# Allegro board REF_038HX-888005K4R-A100.brd (continued)
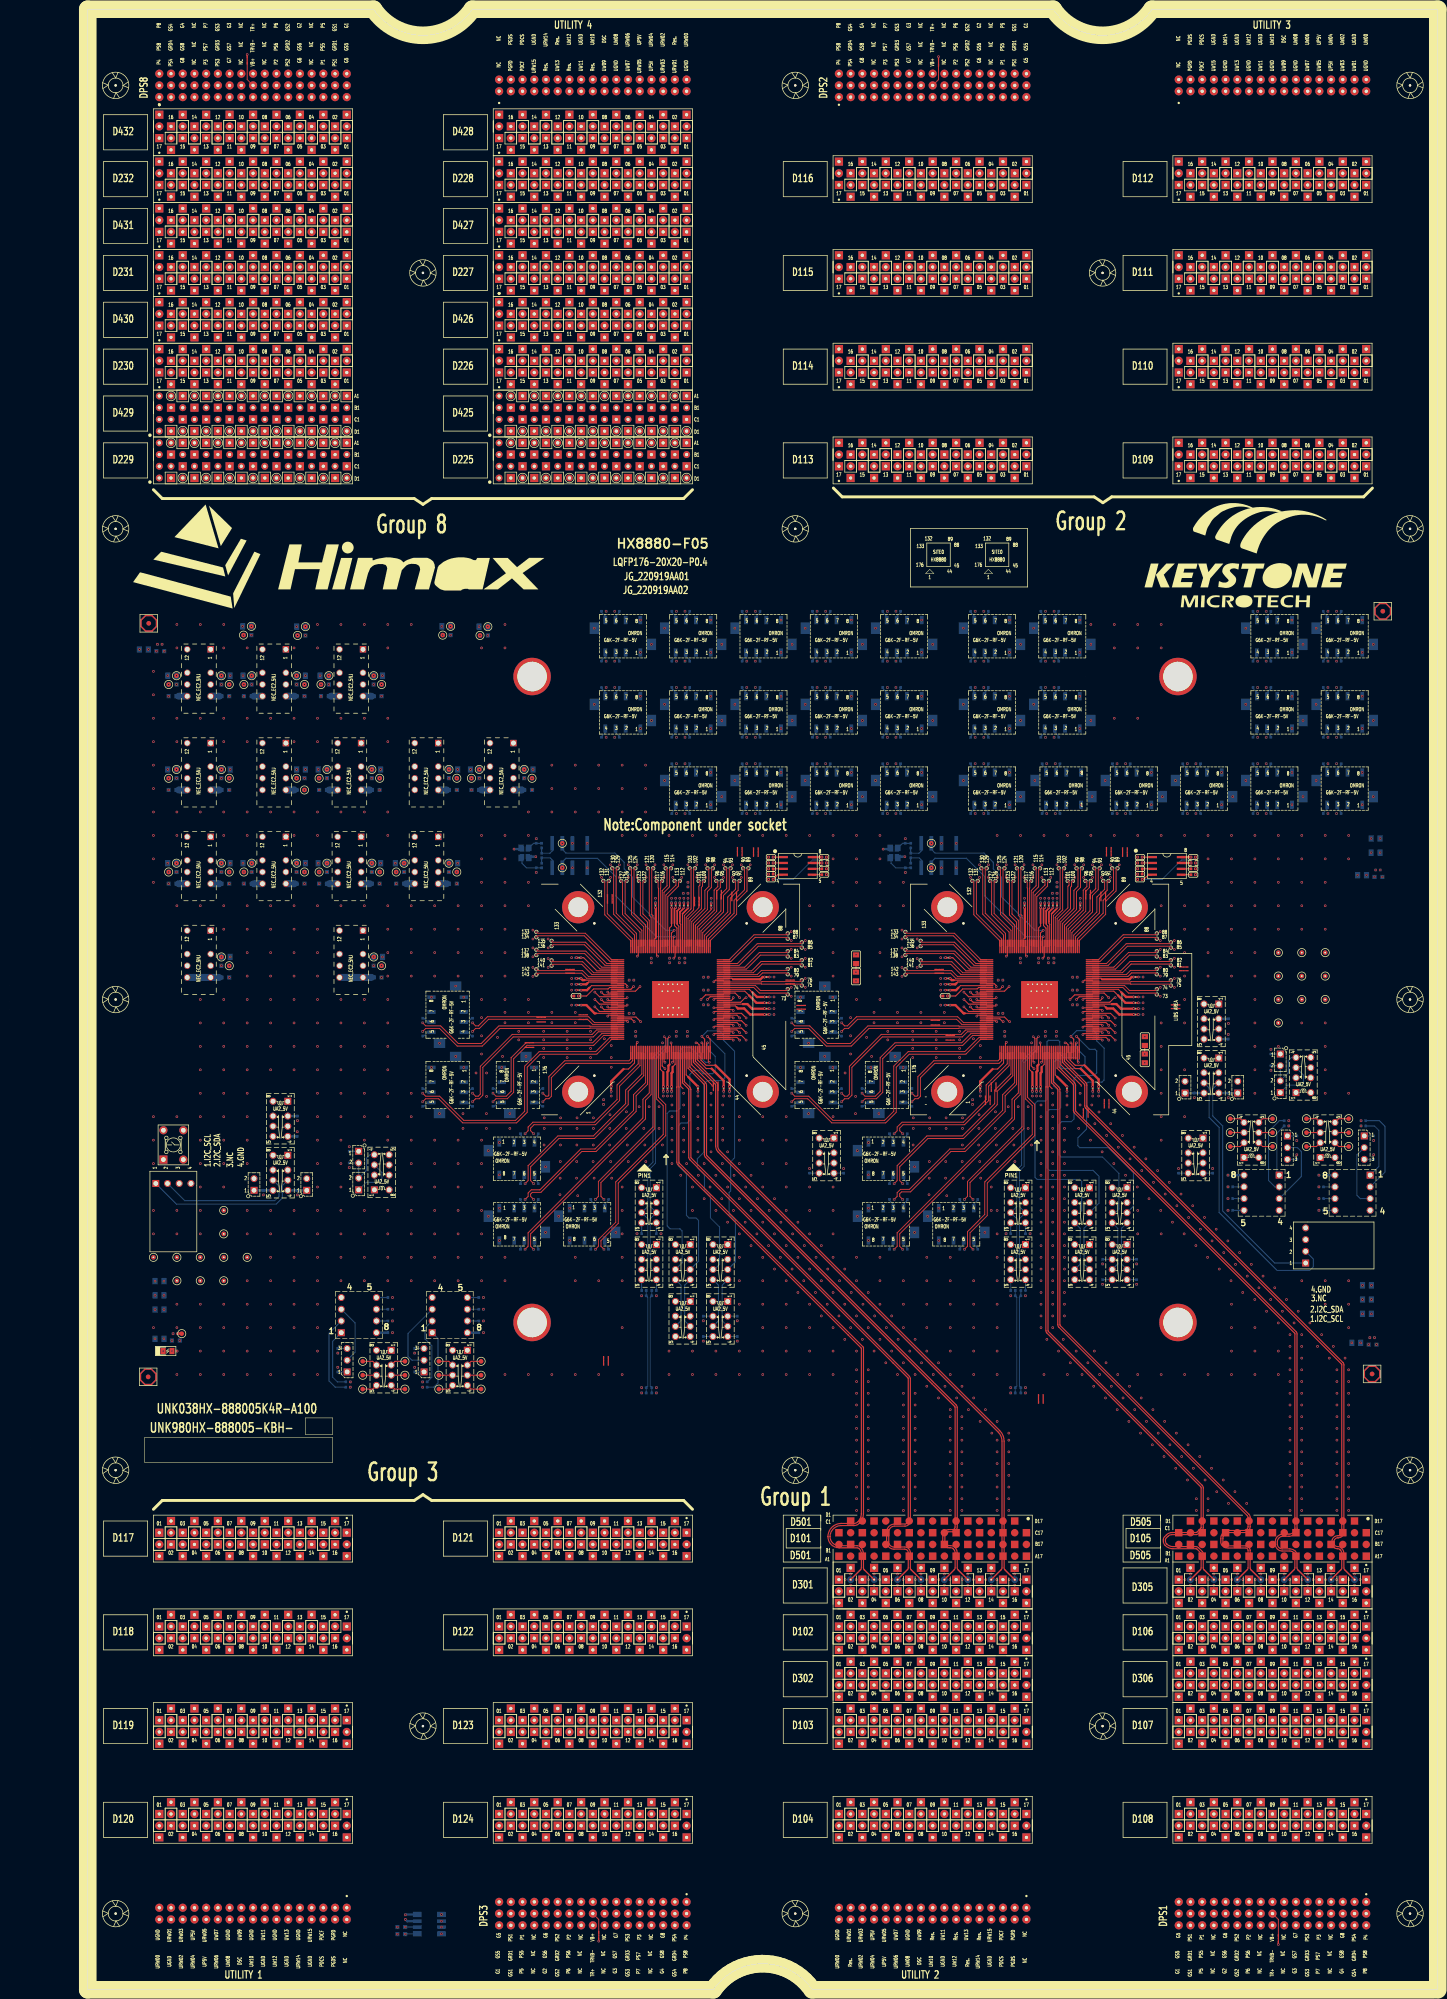
[diagram p0: board, top side]
## Routing (per net, layer and track width the routed paths; a pad name or vN(x,y) marks a point on that pad's centre or on a via; arc(x,y) is an arc through that point) (continued)
  BOTTOM w0.231: U2.2 52.29,142.29 52.29,131.95 53.64,130.61 R95.1
S1_SPI_22_SDO: length 118.1
  L22_SIGNAL w0.145: U2.5 62.58,162.45 65.24,165.12 105.46,165.12 107.4,163.18 139.62,163.18 142.24,160.55 142.24,142.03 v1(140.81,140.59)
  BOTTOM w0.231: U2.5 R99.1
S1_SPI_CSN: length 62.9
  TOP w0.231: SITE1.43 134.52,201.23 v1(134.72,201.03)
  BOTTOM w0.231: K15.6 128.85,157.56 128.85,164.44 128.35,164.94 126.21,164.94 125.6,165.55 125.6,189.95 126.1,190.44 127.73,190.44 128.4,191.11 128.4,203.59 129.06,204.25 130.66,204.25 133.89,201.03 v1(134.72,201.03)
S1_SPI_SCK: length 62.9
  TOP w0.231: v1(134.32,205.23) 134.12,205.03 SITE1.42
  BOTTOM w0.231: v1(134.32,205.23) 134.32,203.98 136.02,202.28 136.02,199.11 135.45,198.54 133.39,198.54 132.66,199.27 131.41,199.27 130.52,198.39 130.52,188.48 129.89,187.85 128.59,187.85 128.06,187.32 128.06,178.54 129.77,176.83 129.77,167.84 130.35,167.26 131.87,167.26 132.41,166.72 132.41,157.93 K15.3
S1_SPI_SDI: length 62.9
  TOP w0.231: SITE1.44 134.92,206.03 v1(134.32,206.63)
  BOTTOM w0.231: v1(134.32,206.63) 138.09,202.86 138.09,197.63 137.53,197.06 134.34,197.06 133.56,196.28 133.56,181.53 132.15,180.12 132.15,178.17 133.67,176.65 133.67,173.29 134.98,171.97 134.98,167.29 136.95,165.33 136.95,157.22 135.84,156.11 K14.6
S1_SPI_SDO: length 62.9
  TOP w0.231: SITE1.41 133.72,206.03 v1(133.12,206.63)
  BOTTOM w0.231: K14.3 140.39,157.78 140.39,166.66 139.03,168.02 139.03,172.81 139.37,173.15 139.37,179.48 140.21,180.32 140.21,203.4 137.78,205.83 137.78,207.04 136.99,207.83 134.32,207.83 v1(133.12,206.63)
S1_XTAL_IN: length 37.5
  TOP w0.231: v1(127.12,228.23) 126.92,228.03 SITE1.109
  BOTTOM w0.231: v1(102.86,243.18) 102.86,244.44 103.65,245.24 110.47,245.24 114.43,241.27 114.43,237.1 123.31,228.23 v1(127.12,228.23)
S1_XTAL_OUT: length 39.9
  TOP w0.231: SITE1.110 126.52,229.03 v1(127.12,229.63)
  BOTTOM w0.231: v1(127.12,229.63) 125.32,229.63 118.08,236.87 118.08,241.15 116.29,242.93 116.29,244.36 114.29,246.35 103.68,246.35 102.86,247.17 v1(102.86,248.48)
S2_1AUX+: length 2.4
  BOTTOM w0.203: UNK2K9.4 UNK2R129.1
S2_1AUX-: length 2.4
  BOTTOM w0.203: UNK2K9.5 UNK2R130.1
S2_1SPI_CSN: length 11.1
  BOTTOM w0.231: UNK2K19.6 215.14,157.31 215.14,165.04 UNK2K15.5
S2_1SPI_SCK: length 11.1
  BOTTOM w0.231: UNK2K15.4 215.95,165.04 215.95,157.31 UNK2K19.3
S2_1SPI_SDI: length 11.1
  BOTTOM w0.231: UNK2K20.6 223.27,157.31 223.27,165.04 UNK2K14.5
S2_1SPI_SDO: length 11.1
  BOTTOM w0.231: UNK2K14.4 224.08,165.04 224.08,157.31 UNK2K20.3
S2_2AUX+: length 22.5
  BOTTOM w0.203: UNK2C3.1 UNK2R1.2 201.94,130.82 201.94,150.09 UNK2R3.1 UNK2R129.2
S2_2AUX-: length 22.5
  BOTTOM w0.203: UNK2C4.1 UNK2R4.2 201.39,130.82 201.39,150.09 UNK2R2.2 UNK2R130.2
S2_AUXCH+: length 58
  TOP w0.203: SITE2.21 205.72,206.2 v2(206.09,206.57)
  BOTTOM w0.203: v2(206.09,206.57) 205.79,206.28 205.79,203.82 202.98,201.01 202.98,178.49 201.94,177.44 201.94,169.76 UNK2K12.3 201.94,167.11 201.94,156.52 202.34,156.11 UNK2K9.3
S2_AUXCH-: length 58
  TOP w0.203: v2(204.95,206.57) 205.32,206.2 SITE2.20
  BOTTOM w0.203: v2(204.95,206.57) 205.25,206.28 205.25,204.05 202.43,201.24 202.43,178.72 201.39,177.67 201.39,169.76 UNK2K12.6 201.39,167.11 201.39,156.52 200.98,156.11 UNK2K9.6
S2_ISP_1LOCK: length 70.6
  TOP w0.231: UNK2R118.2 v1(184.89,215.39)
  L22_SIGNAL w0.145: UNK2K33.3 244.18,208.25 243.56,208.87 243.56,211.56 242.91,212.22 231.04,212.22 229.34,210.53 226.16,210.53 223.34,213.35 219.36,213.35 214.4,218.31 211.83,218.31 210.07,220.07 191.77,220.07 187.76,216.07 185.57,216.07 v1(184.89,215.39)
S2_SPI_1_CSN: length 85.8
  L22_SIGNAL w0.145: UNK2U1.1 256.66,176.56 255.05,178.16 246.33,178.16 243.54,175.37 236.91,175.37 235.34,176.93 235.34,180.97 233.47,182.84 229.44,182.84 228.49,183.78 219.4,183.78 215.55,179.94 215.55,159.92 UNK2K19.7
  BOTTOM w0.231: UNK2U1.1 257.75,177.07 257.75,185.63 UNK2R87.1
S2_SPI_1_SCK: length 85.8
  L22_SIGNAL w0.145: UNK2K19.2 218.76,159.93 226.5,159.93 229.12,162.55 241.16,162.55 242.08,163.47 249.91,163.47 250.37,163.93 250.37,165.38 249.57,166.19 240.1,166.19 239.33,165.41 231.24,165.41 230.07,166.57 230.07,168.71 231.95,170.59 233.92,170.59 234.76,171.43 245.11,171.43 246.35,170.19 247.8,170.19 249.09,171.48 UNK2U1.6
  BOTTOM w0.231: UNK2U1.6 UNK2R91.1
S2_SPI_1_SDI: length 2.1
  BOTTOM w0.231: UNK2K20.7 UNK2R127.1
S2_SPI_1_SDO: length 2.1
  BOTTOM w0.231: UNK2K20.2 UNK2R125.1
S2_SPI_2_CSN: length 120.2
  L22_SIGNAL w0.145: UNK2U2.1 279.89,174.65 279.89,158.59 275.13,153.83 275.13,146.29 271.99,143.15 254.62,143.15 253.37,144.41 248.18,144.41 241.07,151.52 232.73,151.52 228.41,147.19 215.73,147.19 213.94,148.97 UNK2K19.5
  BOTTOM w0.231: UNK2R94.1 278.92,187.23 279.85,186.29 279.85,178.43 UNK2U2.1
S2_SPI_2_SCK: length 120.2
  L22_SIGNAL w0.145: UNK2U2.6 268.74,171.48 268.3,171.91 268.3,177.64 267.64,178.3 266.31,178.3 265.37,179.24 265.37,184.83 264.87,185.33 263.93,185.33 263.43,184.83 263.43,178.78 262.94,178.3 258.99,178.3 255.31,181.98 246.01,181.98 245.04,182.96 245.04,185.09 243.73,186.4 217.88,186.4 212.79,181.31 212.79,179.02 210.04,176.27 210.04,155.69 210.72,155.01 216.04,155.01 UNK2K19.4
  BOTTOM w0.231: UNK2U2.6 UNK2R98.1
S2_SPI_2_SDI: length 2.1
  BOTTOM w0.231: UNK2K20.5 UNK2R128.1
S2_SPI_2_SDO: length 2.1
  BOTTOM w0.231: UNK2K20.4 UNK2R126.1
S2_SPI_11_SDI: length 83.7
  L22_SIGNAL w0.145: UNK2U1.2 261.47,170.81 261.47,157.35 257.25,153.13 250.42,153.13 246.27,157.28 237.04,157.28 236.14,156.38 228.76,156.38 227.4,155.02 220.52,155.02 219.99,155.55 v1(219.99,157.31)
  BOTTOM w0.231: UNK2R88.1 258.31,188.37 255.96,186.03 255.96,175.39 257.34,174.02 UNK2U1.2
S2_SPI_11_SDO: length 83.7
  L22_SIGNAL w0.145: UNK2U1.5 253.14,171.44 253.14,172.01 253.64,172.5 255.05,172.5 255.57,171.97 255.57,169.39 253.69,167.52 253.69,157.98 254.02,157.66 255.46,157.66 256.04,158.24 256.04,166.77 256.52,167.25 258.37,167.25 259.08,166.55 259.08,158.06 256.98,155.96 251.7,155.96 246.61,161.06 244.46,161.06 243.93,160.53 237.87,160.53 235.65,158.31 228.36,158.31 v1(227.36,157.31)
  BOTTOM w0.231: UNK2U1.5 UNK2R92.1
S2_SPI_22_SDI: length 118.1
  L22_SIGNAL w0.145: v1(219.99,152.91) 219.27,152.2 217.18,152.2 216.64,151.66 216.64,149.27 217.09,148.82 227.75,148.82 232.18,153.25 241.55,153.25 248.61,146.19 253.95,146.19 254.53,145.6 271.33,145.6 272.2,146.48 272.2,155.71 275.21,158.72 275.21,173.42 276.26,174.47 277.52,174.47 UNK2U2.2
  BOTTOM w0.231: UNK2R95.1 279.97,188.37 281.18,187.15 281.18,177.23 UNK2U2.2
S2_SPI_22_SDO: length 118.1
  L22_SIGNAL w0.145: UNK2U2.5 269.46,168.04 269.46,160.73 269.86,160.33 271.51,160.33 272.11,160.93 272.11,177.1 272.33,177.32 273.29,177.32 273.55,177.06 273.55,160.14 270.05,156.64 270.05,148.43 269.18,147.55 263.9,147.55 263.25,148.21 250.17,148.21 243.65,154.73 231.4,154.73 226.94,150.26 224.58,150.26 224.17,150.67 224.17,151.9 224.55,152.29 226.73,152.29 v1(227.36,152.91)
  BOTTOM w0.231: UNK2U2.5 UNK2R99.1
S2_SPI_CSN: length 62.9
  TOP w0.231: v1(214.72,201.03) 214.52,201.23 SITE2.43
  BOTTOM w0.231: UNK2K15.6 215.05,168.43 215.46,168.84 215.46,175.23 215.05,175.64 205.77,175.64 205.35,176.07 205.35,192.12 205.88,192.65 207.55,192.65 207.93,193.02 207.93,205.46 208.26,205.79 210.39,205.79 210.69,205.49 210.69,202.88 211.55,202.02 214.27,202.02 214.72,201.57 v1(214.72,201.03)
S2_SPI_SCK: length 62.9
  TOP w0.231: v1(214.32,205.23) 214.12,205.03 SITE2.42
  BOTTOM w0.231: v1(214.32,205.23) 214.32,204.09 216.16,202.25 216.16,200.7 215.12,199.65 211.17,199.65 210.78,200.05 210.78,201.09 210.37,201.49 209.81,201.49 209.41,201.09 209.41,195.89 210.9,194.41 210.9,191.25 210.42,190.77 208.44,190.77 207.94,190.27 207.94,178.12 208.47,177.59 217.92,177.59 219.2,176.3 219.2,170.49 UNK2K15.3
S2_SPI_SDI: length 62.9
  TOP w0.231: v1(214.32,206.63) 214.92,206.03 SITE2.44
  BOTTOM w0.231: UNK2K14.6 222.74,168.43 223.51,169.2 223.51,176.95 219.98,180.49 210.95,180.49 210.51,180.92 210.51,187.54 211.13,188.16 213.21,188.16 213.77,188.72 213.77,197.44 214.51,198.17 218.17,198.17 218.71,198.71 218.71,203.47 218.34,203.85 217.1,203.85 v1(214.32,206.63)
S2_SPI_SDO: length 62.9
  TOP w0.231: v1(213.12,206.63) 213.72,206.03 SITE2.41
  BOTTOM w0.231: UNK2K14.3 226.68,169.84 226.68,177.06 221.22,182.52 215.04,182.52 214.62,182.94 214.62,184.64 216.5,186.52 216.5,196.39 216.81,196.7 219.83,196.7 220.32,197.19 220.32,204.07 218.7,205.68 218.7,207.24 218.07,207.87 214.36,207.87 v1(213.12,206.63)
S2_XTAL_IN: length 37.5
  TOP w0.231: v1(207.12,228.23) 206.92,228.03 SITE2.109
  BOTTOM w0.231: v1(182.86,243.18) 182.86,244.44 183.65,245.24 190.47,245.24 194.43,241.27 194.43,237.1 203.31,228.23 v1(207.12,228.23)
S2_XTAL_OUT: length 39.9
  TOP w0.231: SITE2.110 206.52,229.03 v1(207.12,229.63)
  BOTTOM w0.231: v1(207.12,229.63) 205.32,229.63 198.08,236.87 198.08,241.15 196.29,242.93 196.29,244.36 194.29,246.35 183.68,246.35 182.86,247.17 v1(182.86,248.48)
SK1_2: length 3.3
  TOP w0.231: SK1_2.1 83.1,136.21 SK1.2
SK1_3: length 3
  TOP w0.231: SK1.3 SK1_3.1
SK1_4: length 3.3
  TOP w0.231: SK1.4 83.1,130.19 SK1_4.1
SK1_5: length 3.3
  TOP w0.231: SK1.5 78.28,130.19 SK1_5.1
SK1_6: length 3
  TOP w0.231: SK1.6 SK1_6.1
SK1_7: length 3.3
  TOP w0.231: SK1_7.1 78.28,136.21 SK1.7
SK2_2: length 3.3
  TOP w0.231: SK2_2.1 66.59,136.21 SK2.2
SK2_3: length 3
  TOP w0.231: SK2.3 SK2_3.1
SK2_4: length 3.3
  TOP w0.231: SK2_4.1 66.59,130.19 SK2.4
SK2_5: length 3.3
  TOP w0.231: SK2_5.1 61.77,130.19 SK2.5
SK2_6: length 3
  TOP w0.231: SK2.6 SK2_6.1
SK2_7: length 3.3
  TOP w0.231: SK2.7 61.77,136.21 SK2_7.1
UDBGND: length 2.8
  BOTTOM w0.508: v1(68.85,15.25) 69.24,14.86 UB1.7
  vias: v1(13.13,290.5) v1(14.87,290.12) v1(15.11,291.63) v1(16.35,138.43) v1(16.52,153.59) v1(16.52,150.51) v1(16.52,147.42) v1(16.51,141.08) v1(18.25,140.7) v1(18.49,142.21) v1(76.67,16.32) v1(76.67,14.86) v1(76.67,13.59) v1(76.67,12.13) v1(275.93,140.21) v1(277.67,139.83) v1(277.92,141.34) v1(278.26,152.67) v1(278.26,149.59) v1(278.26,146.5) v2(277.19,241.58) v2(278.93,241.2) v2(279.17,242.7) v2(280.14,249.53) v2(280.14,246.45)
UT1_UP5V: length 7.9
  TOP w0.508: UT1.8 v1(159.13,245.49) ; UNK2UT1.8 v1(239.13,245.49) ; UT_UP5V.1 v1(19.49,142.21)
  BOTTOM w0.508: BR902.1 v1(19.38,138.43) ; UB1.8 68.92,16.32 v1(68.85,16.25)
  vias: v1(16.11,291.63) v1(16.57,290.12) v1(19.95,140.7) v1(67.11,13.59) v1(67.11,12.06) v1(81.5,215.14) v1(81.5,199.9) v1(89.23,183.62) v1(89.23,169.4) v1(96.74,199.9) v1(104.47,169.4) v1(108.26,243.18) v1(119.8,289.86) v1(119.8,273.35) v1(135.04,289.86) v1(135.04,273.35) v1(135.04,256.84) v1(147.57,245.49) v1(147.57,244.22) v1(147.57,242.95) v1(150.28,289.86) v1(150.28,273.35) v1(150.28,256.84) v1(160.13,244.22) v1(160.13,242.95) v1(160.13,241.68) v1(161.5,215.14) v1(161.5,199.9) v1(165.52,289.86) v1(165.52,273.35) v1(165.52,256.84) v1(169.23,183.62) v1(169.23,169.4) v1(176.74,199.9) v1(180.76,289.86) v1(180.76,273.35) v1(180.76,256.84) v1(184.47,169.4) v1(188.26,243.18) v1(199.8,289.86) v1(199.8,273.35) v1(199.8,256.84) v1(215.04,289.86) v1(215.04,273.35) v1(215.3,256.84) v1(227.57,245.49) v1(227.57,244.22) v1(227.57,242.95) v1(230.54,256.84) v1(240.13,244.22) v1(240.13,242.95) v1(240.13,241.68) v1(245.78,256.84) v1(261.02,289.86) v1(261.02,273.35) v1(261.02,256.84) v1(276.26,289.86) v1(276.26,273.35) v1(276.26,256.84) v1(278.92,141.34) v1(279.37,139.83) v2(280.17,242.7) v2(280.63,241.2)
UT1_URW00: length 275.1
  L13_CBIT w0.254: K13.8 160.09,183.05 160.09,175.14 158.3,173.35 158.3,162.72 155.72,160.14 155.72,157.74 152.6,154.61 152.6,146.42 130.04,123.87 110.77,123.87 67.58,80.67 67.58,17.33 59.86,9.61 21.14,9.61 UTL1.A01
UT1_URW01: length 204.6
  L13_CBIT w0.254: K28.8 41.43,179.59 41.43,168.15 46.97,162.61 46.97,128.87 58.05,117.79 58.05,27.82 54.42,24.18 24.45,24.18 UTL1.B02
UT1_URW02: length 234.1
  L13_CBIT w0.254: UTL1.A03 25.58,10.25 59.6,10.25 66.94,17.6 66.94,80.94 110.51,124.5 125.42,124.5 137.44,136.52 137.44,159.6 K14.8
UT1_URW03: length 214.8
  L13_CBIT w0.254: UTL1.B03 26.36,23.55 54.68,23.55 58.69,27.55 58.69,118.06 47.61,129.14 47.61,162.88 42.07,168.42 42.07,190.66 K33.8
UT1_URW04: length 217.7
  L13_CBIT w0.254: K20.8 136.8,147.91 136.8,136.78 125.16,125.14 110.25,125.14 66.31,81.2 66.31,17.86 59.33,10.88 27.49,10.88 UTL1.A04
UT1_URW05: length 195.3
  L13_CBIT w0.254: K10.8 65.33,172.22 48.24,155.13 48.24,129.4 59.32,118.32 59.32,27.29 54.95,22.91 30.8,22.91 UTL1.B05
UT1_URW06: length 220.2
  L13_CBIT w0.254: K15.8 129.37,159.53 129.37,131.79 123.36,125.77 109.98,125.77 65.67,81.46 65.67,18.12 59.07,11.52 31.93,11.52 UTL1.A06
UT1_UW07: length 148.2
  L13_CBIT w0.254: SK2.8 59.96,135.98 59.96,27.03 55.21,22.28 32.71,22.28 UTL1.B06
UT1_UW08: length 203.7
  L13_CBIT w0.254: UTL1.A07 33.84,12.15 58.81,12.15 65.04,18.39 65.04,81.73 109.72,126.41 123.1,126.41 128.74,132.05 128.74,147.85 K19.8
UT1_UW09: length 226.5
  L07_SIGNAL w0.254: UTL1.B08 36.33,20.82 56.91,20.82 62.71,26.62 62.71,101.72 69.98,109 69.98,140.01 72.02,142.05 72.02,156.77 74.5,159.25 v1(74.5,199.9) v1(74.5,215.14)
UT1_UW10: length 202.3
  L13_CBIT w0.254: UTL1.A09 38.28,12.79 58.54,12.79 64.4,18.65 64.4,81.99 109.46,127.04 114.99,127.04 121.41,133.46 121.41,160.16 K9.8
UT1_UW11: length 214.9
  L13_CBIT w0.254: v1(89.74,199.9) 85.18,195.33 79.7,195.33 69.43,185.05 69.43,117.01 61.23,108.81 61.23,26.5 55.73,21.01 41.6,21.01 UTL1.B10
UT1_UW12: length 204.1
  L13_CBIT w0.254: UTL1.A11 42.73,13.42 58.28,13.42 63.77,18.91 63.77,88.12 114.1,138.45 114.1,154.27 117.54,157.72 117.54,171.31 K12.8
UT1_UW13: length 141.4
  L13_CBIT w0.254: UTL1.B12 46.04,20.37 56,20.37 61.86,26.24 61.86,95.2 76.75,110.09 76.75,136.26 SK1.8
UT1_UW14: length 180.1
  L13_CBIT w0.254: v1(104.47,162.4) 104.08,162.01 104.08,129.33 63.13,88.39 63.13,19.18 58.02,14.06 47.17,14.06 UTL1.A13
UT1_UW15: length 191.9
  L13_CBIT w0.254: UTL1.B14 50.49,19.74 56.26,19.74 62.5,25.98 62.5,88.65 103.44,129.59 103.44,148.22 103.4,148.22 v1(89.23,162.4) 90.51,163.68 90.51,175.34 v1(89.23,176.62)
UT2_URW00: length 244.1
  L13_CBIT w0.254: UTL2.A01 168.57,9.5 206.27,9.5 214.26,17.49 214.26,70.44 238.02,94.19 238.02,107.15 239.75,108.88 239.75,111.13 244.33,115.71 244.33,132.42 254.88,142.97 254.88,144.82 257.6,147.54 257.6,150.36 260.28,153.04 260.28,165.01 264.99,169.72 264.99,176.46 266.94,178.4 268.38,178.4 UNK2SK2.8
UT2_URW01: length 252.7
  L13_CBIT w0.254: v1(154.5,215.14) v1(154.5,199.9) 165.26,189.14 165.26,161.39 192.9,133.74 192.9,130.75 204.74,118.92 204.74,26 203.25,24.51 172.1,24.51 UTL2.B02
UT2_URW02: length 249
  L13_CBIT w0.254: UNK2K10.8 264.36,193.71 264.36,172.27 257.62,165.54 257.62,154.94 254.88,152.2 254.88,147.51 241.18,133.8 241.18,116.71 236.36,111.9 236.36,93.43 213.63,70.7 213.63,17.76 206.01,10.14 173.01,10.14 UTL2.A03
UT2_URW03: length 232.9
  L13_CBIT w0.254: UTL2.B03 174.01,23.88 203.52,23.88 205.37,25.74 205.37,119.18 193.54,131.01 193.54,134 165.89,161.65 165.89,186.66 168.99,189.76 168.99,199.14 v1(169.74,199.9)
UT2_URW04: length 226.7
  L13_CBIT w0.254: UTL2.A04 174.92,10.77 205.75,10.77 212.99,18.02 212.99,70.96 234.83,92.8 234.83,116.51 239.66,121.33 239.66,134.23 252.18,146.75 252.18,152.37 253.74,153.94 253.74,180.28 UNK2SK1.8
UT2_URW05: length 203.7
  L13_CBIT w0.254: v1(169.23,176.62) 170.51,175.34 170.51,163.68 v1(169.23,162.4) 169.23,159.22 194.17,134.27 194.17,131.28 206.01,119.44 206.01,25.47 203.78,23.24 178.45,23.24 UTL2.B05
UT2_URW06: length 252.6
  L13_CBIT w0.254: UNK2K33.8 243.56,212.06 243.56,192.28 246.03,189.82 246.03,169.2 242.65,165.81 242.65,161.09 240.51,158.95 239.9,158.95 229.28,148.33 229.28,124.57 225.83,121.11 225.83,84.69 212.36,71.23 212.36,18.28 205.49,11.41 179.36,11.41 UTL2.A06
UT2_UW07: length 180.6
  L13_CBIT w0.254: v1(184.47,162.4) 184.47,144.87 194.81,134.53 194.81,131.54 206.64,119.71 206.64,25.21 204.04,22.61 180.36,22.61 UTL2.B06
UT2_UW08: length 234.6
  L13_CBIT w0.254: UTL2.A07 181.27,12.04 205.22,12.04 211.72,18.55 211.72,71.49 223.43,83.19 223.43,123.47 224.98,125.02 224.98,126.77 226.72,128.51 226.72,148.87 240.48,162.62 240.48,167.78 241.68,168.99 241.68,174.42 240.45,175.66 240.45,191.71 240.81,192.07 240.81,200.79 UNK2K28.8
UT2_UW09: length 169.2
  L13_CBIT w0.254: UNK2K9.8 201.16,160.42 201.16,137.16 207.28,131.04 207.28,24.95 204.31,21.97 184.8,21.97 UTL2.B08
UT2_UW10: length 210.8
  L13_CBIT w0.254: UNK2K13.8 239.81,183.32 239.81,175.4 241.05,174.16 241.05,169.25 239.84,168.05 239.84,163.77 225.5,149.43 225.5,132.58 222.7,129.78 222.7,128.3 221.44,127.04 221.44,82.1 211.09,71.75 211.09,18.81 204.96,12.68 185.71,12.68 UTL2.A09
UT2_UW11: length 177.5
  L13_CBIT w0.254: UNK2K12.8 201.79,172.1 201.79,137.43 207.91,131.3 207.91,24.68 204.57,21.34 189.25,21.34 UTL2.B10
UT2_UW12: length 186.5
  L13_CBIT w0.254: UTL2.A11 190.16,13.31 204.7,13.31 210.45,19.07 210.45,72.27 218.93,80.74 218.93,129.23 222.49,132.8 222.49,149.55 223.95,151 223.95,171.95 UNK2K14.8
UT2_UW13: length 161
  L13_CBIT w0.254: UTL2.B12 193.69,20.7 204.83,20.7 208.55,24.42 208.55,119.66 213.85,124.96 213.85,136.07 215.28,137.5 215.28,160.18 UNK2K19.8
UT2_UW14: length 167.6
  L13_CBIT w0.254: UTL2.A13 194.6,13.95 204.43,13.95 209.82,19.34 209.82,72.53 218.29,81 218.29,129.5 221.86,133.06 221.86,149.81 223.31,151.27 223.31,160.27 UNK2K20.8
UT2_UW15: length 169.3
  L13_CBIT w0.254: UNK2K15.8 215.91,171.86 215.91,137.23 214.48,135.81 214.48,124.69 209.18,119.39 209.18,24.16 205.09,20.07 198.14,20.07 UTL2.B14
UT3_URW00: length 248.2
  L13_CBIT w0.254: UTL3.A01 271.41,419.74 233.95,419.74 225.69,411.48 225.69,347.28 183.85,305.44 128.37,305.44 v1(119.8,296.86)
UT3_URW01: length 174.4
  L13_CBIT w0.254: v1(276.26,296.86) v1(261.02,296.86) 235.22,322.67 235.22,402.02 237.7,404.5 267.6,404.5 UTL3.B02
UT3_URW02: length 250.4
  L13_CBIT w0.254: UTL3.A03 266.97,419.1 234.21,419.1 226.33,411.22 226.33,346.71 184.2,304.58 142.76,304.58 v1(135.04,296.86) 119.8,281.62 v1(119.8,280.35)
UT3_URW03: length 199.7
  L13_CBIT w0.254: UTL3.B03 265.7,405.13 237.43,405.13 234.58,402.28 234.58,318.77 268.87,284.48 272.14,284.48 v1(276.26,280.35) 277.28,279.34 277.28,264.86 v1(276.26,263.84)
UT3_URW04: length 251.8
  L13_CBIT w0.254: v1(135.04,263.84) 136.05,264.86 136.05,279.34 v1(135.04,280.35) 135.52,280.84 135.52,285.75 153.46,303.68 184.57,303.68 226.96,346.07 226.96,410.95 234.48,418.47 265.06,418.47 UTL3.A04
UT3_URW05: length 187.5
  L13_CBIT w0.254: v1(261.02,263.84) 262.04,264.86 262.04,279.34 v1(261.02,280.35) 258.71,282.66 258.71,285.75 233.95,310.51 233.95,402.54 237.17,405.76 261.25,405.76 UTL3.B05
UT3_URW06: length 204.1
  L13_CBIT w0.254: UTL3.A06 260.62,417.83 234.74,417.83 227.6,410.69 227.6,345.44 184.95,302.79 156.2,302.79 v1(150.28,296.86)
UT3_UW07: length 178.8
  L13_CBIT w0.254: v1(245.78,263.84) 245.38,264.25 245.38,295.27 233.31,307.34 233.31,402.81 236.91,406.4 259.35,406.4 UTL3.B06
UT3_UW08: length 229
  L13_CBIT w0.254: UTL3.A07 258.71,417.19 235,417.19 228.23,410.43 228.23,344.81 185.32,301.89 165.63,301.89 161.56,297.81 161.56,294 151.4,283.85 151.4,281.47 v1(150.28,280.35) 151.29,279.34 151.29,264.86 v1(150.28,263.84)
UT3_UW09: length 183.1
  L13_CBIT w0.254: v1(230.54,263.84) 230.54,268.09 225.12,273.52 225.12,281.57 215.34,291.35 215.34,296.56 v1(215.04,296.86) 215.04,322.72 232.68,340.36 232.68,403.07 236.64,407.03 254.9,407.03 UTL3.B08
UT3_UW10: length 217.4
  L13_CBIT w0.254: UTL3.A09 254.27,416.56 235.27,416.56 228.87,410.16 228.87,344.17 185.69,300.99 166.64,300.99 164.1,298.45 164.1,281.77 v1(165.52,280.35) 166.53,279.34 166.53,264.86 v1(165.52,263.84)
UT3_UW11: length 174.9
  L13_CBIT w0.254: v1(215.3,263.84) 213.28,265.86 213.28,278.6 v1(215.04,280.35) 213.63,281.76 213.63,322.58 232.04,341 232.04,403.33 236.38,407.67 250.46,407.67 UTL3.B10
UT3_UW12: length 175.2
  L13_CBIT w0.254: UTL3.A11 249.82,415.92 235.53,415.92 229.5,409.9 229.5,343.53 182.83,296.86 v1(180.76,296.86) v1(165.52,296.86)
UT3_UW13: length 173.9
  L13_CBIT w0.254: UTL3.B12 246.01,408.31 236.12,408.31 231.41,403.6 231.41,341.63 204.1,314.32 204.1,268.15 v1(199.8,263.84)
UT3_UW14: length 186.5
  L13_CBIT w0.254: v1(180.76,263.84) 181.77,264.86 181.77,279.34 v1(180.76,280.35) 180.76,285.26 187.59,292.1 187.59,300.36 230.14,342.9 230.14,409.64 235.79,415.29 245.38,415.29 UTL3.A13
UT3_UW15: length 153.7
  L13_CBIT w0.254: UTL3.B14 241.57,408.94 235.85,408.94 230.77,403.86 230.77,342.26 199.8,311.29 v1(199.8,296.86) 200.81,295.85 200.81,281.37 v1(199.8,280.35)
UT4_URW00: length 208
  L13_CBIT w0.254: UNK2K37.12 21.56,290.53 77.1,346.07 77.1,414.11 85.27,422.27 124.73,422.27 129.17,417.83 129.17,414.65 UTL4.A01
UT4_URW01: length 226.9
  L13_CBIT w0.254: UNK2K39.12 21.86,270.5 21.86,276.86 23.76,278.76 23.76,291.84 77.74,345.81 77.74,413.85 85.53,421.64 122.19,421.64 126,417.83 126,412.75 UTL4.B02
UT4_URW02: length 242.9
  L13_CBIT w0.254: UNK2K42.12 23.13,251.45 23.13,276.23 24.4,277.5 24.4,286.38 26.94,288.93 29.48,288.93 31.38,290.83 31.38,298.56 78.37,345.55 78.37,413.59 85.79,421 120.92,421 124.73,417.19 UTL4.A03
UT4_URW03: length 264.3
  L13_CBIT w0.254: UNK2K36.12 23.9,231.9 28.97,231.9 32.02,234.94 32.02,298.3 79.01,345.29 79.01,413.32 86.06,420.37 118.38,420.37 123.46,415.29 123.46,412.75 UTL4.B03
UT4_URW04: length 187.5
  L13_CBIT w0.254: UNK2K34.12 39,291.66 39,303.05 79.64,343.69 79.64,413.06 86.32,419.74 116.47,419.74 UTL4.A04
UT4_URW05: length 206.8
  L13_CBIT w0.254: UTL4.B05 118.38,412.75 118.38,415.29 114.57,419.1 86.58,419.1 80.28,412.8 80.28,343.43 39.64,302.79 39.64,279.4 38.37,278.13 38.37,270.7 UNK2K31.12
UT4_URW06: length 221
  L13_CBIT w0.254: UTL4.A06 112.66,418.47 86.85,418.47 80.91,412.53 80.91,343.16 40.62,302.87 40.62,259.42 38.37,257.18 38.37,250.38 UNK2K40.12
UT4_UW07: length 281.7
  L13_CBIT w0.254: UTL4.B06 113.3,407.67 88.32,407.67 86.63,405.98 86.63,313.69 81.55,308.61 81.55,285.38 99.33,267.6 99.33,260.35 107.58,252.09 184.65,252.09 v1(188.26,248.48)
UT4_UW08: length 170.7
  L13_CBIT w0.254: K37.12 53.49,291.62 53.49,314.84 81.55,342.9 81.55,412.27 87.11,417.83 110.76,417.83 UTL4.A07
UT4_UW09: length 200.7
  L13_CBIT w0.254: v1(108.26,248.48) 107.13,249.61 104.85,249.61 98.69,255.77 98.69,267.33 80.91,285.12 80.91,309.25 85.99,314.32 85.99,406.25 88.05,408.31 108.85,408.31 UTL4.B08
UT4_UW10: length 184.2
  L13_CBIT w0.254: K39.12 56.78,272.81 56.78,316.23 82.18,341.63 82.18,412.01 87.37,417.19 106.31,417.19 UTL4.A09
UT4_UW11: length 164.9
  L13_CBIT w0.254: UTL4.B10 104.41,408.94 87.79,408.94 85.36,406.51 85.36,314.96 80.28,309.88 80.28,277.12 K34.12
UT4_UW12: length 198.4
  L13_CBIT w0.254: UTL4.A11 101.87,416.56 87.64,416.56 82.82,411.74 82.82,341.37 57.42,315.97 57.42,253.13 K42.12
UT4_UW13: length 181.7
  L13_CBIT w0.254: UTL4.B12 99.96,409.57 87.53,409.57 84.72,406.77 84.72,315.6 73.29,304.16 73.29,252.29 K40.12
UT4_UW14: length 212.4
  L13_CBIT w0.254: UTL4.A13 97.42,415.92 87.9,415.92 83.45,411.48 83.45,341.1 58.05,315.7 58.05,233.04 K36.12
UT4_UW15: length 156.8
  L13_CBIT w0.254: UTL4.B14 95.52,410.21 87.26,410.21 84.09,407.03 84.09,316.23 72.66,304.8 72.66,271.97 K31.12
N23628089:
  vias: v1(18.25,138.43)
N24574244: length 2
  BOTTOM w0.231: R89.1 J2.1
N24574268: length 2
  BOTTOM w0.231: R96.1 J3.1
N24574272: length 2
  BOTTOM w0.231: J3.3 R93.1
N24574311: length 2.5
  BOTTOM w0.231: U1.7 R90.1
N24574358: length 16.2
  BOTTOM w0.231: U1.3 69.42,142.25 69.42,137.3 70.27,136.45 J2.2
N24574376: length 2.5
  BOTTOM w0.231: U2.7 R97.1
N24574426: length 13
  BOTTOM w0.231: U2.3 57.96,144.49 57.96,138.18 J3.2
N24574578: length 2
  BOTTOM w0.231: J2.3 R86.1
N24632959: length 62.3
  L22_SIGNAL w0.145: SW1.4 SW1.3 29.5,171.16 53.97,171.16 S1_RST_N.2
  BOTTOM w0.231: K10.4 61.16,180.98 60.41,180.23 60.41,177.6 S1_RST_N.2 J1.2 R85.2
N24632988: length 2
  BOTTOM w0.231: J1.1 C7.1
N24641483: length 2.2
  BOTTOM w0.231: K25.3 82.34,209.74 83.17,210.57 R55.2
N24641485: length 2.2
  BOTTOM w0.231: R56.1 83.22,206.71 82.39,207.54 K25.4
N24641487: length 2.2
  BOTTOM w0.231: R57.2 72.88,210.57 73.71,209.74 K25.6
N24641489: length 2.2
  BOTTOM w0.231: R58.1 72.83,206.71 73.66,207.54 K25.5
N24641552: length 2.2
  BOTTOM w0.231: K26.3 97.58,194.5 98.41,195.33 R59.2
N24641554: length 2.2
  BOTTOM w0.231: R60.1 98.46,191.47 97.63,192.3 K26.4
N24641556: length 2.2
  BOTTOM w0.231: K26.6 88.95,194.5 88.12,195.33 R61.2
N24641558: length 2.2
  BOTTOM w0.231: K26.5 88.9,192.3 88.07,191.47 R62.1
N24641612: length 2.2
  BOTTOM w0.231: K27.5 73.66,192.3 72.83,191.47 R66.1
N24641614: length 2.2
  BOTTOM w0.231: K27.6 73.71,194.5 72.88,195.33 R65.2
N24642432: length 2.2
  BOTTOM w0.231: R45.2 93.8,175 94.63,175.83 K22.6
N24642434: length 2.2
  BOTTOM w0.231: K22.5 96.83,175.78 97.66,174.95 R46.1
N24642442: length 2.2
  BOTTOM w0.231: K23.3 109.87,170.24 109.04,171.07 R47.2
N24642444: length 2.2
  BOTTOM w0.231: R48.1 112.9,171.11 112.07,170.28 K23.4
N24642446: length 2.2
  BOTTOM w0.231: R49.2 109.04,160.77 109.87,161.6 K23.6
N24642448: length 2.2
  BOTTOM w0.231: K23.5 112.07,161.55 112.9,160.72 R50.1
N24642468: length 2.2
  BOTTOM w0.231: K24.3 94.63,170.24 93.8,171.07 R51.2
N24642486: length 2.2
  BOTTOM w0.231: K24.4 96.83,170.28 97.66,171.11 R52.1
